# Altium PCB Battery Protector.PcbDoc (part 2 of 3) (continued)
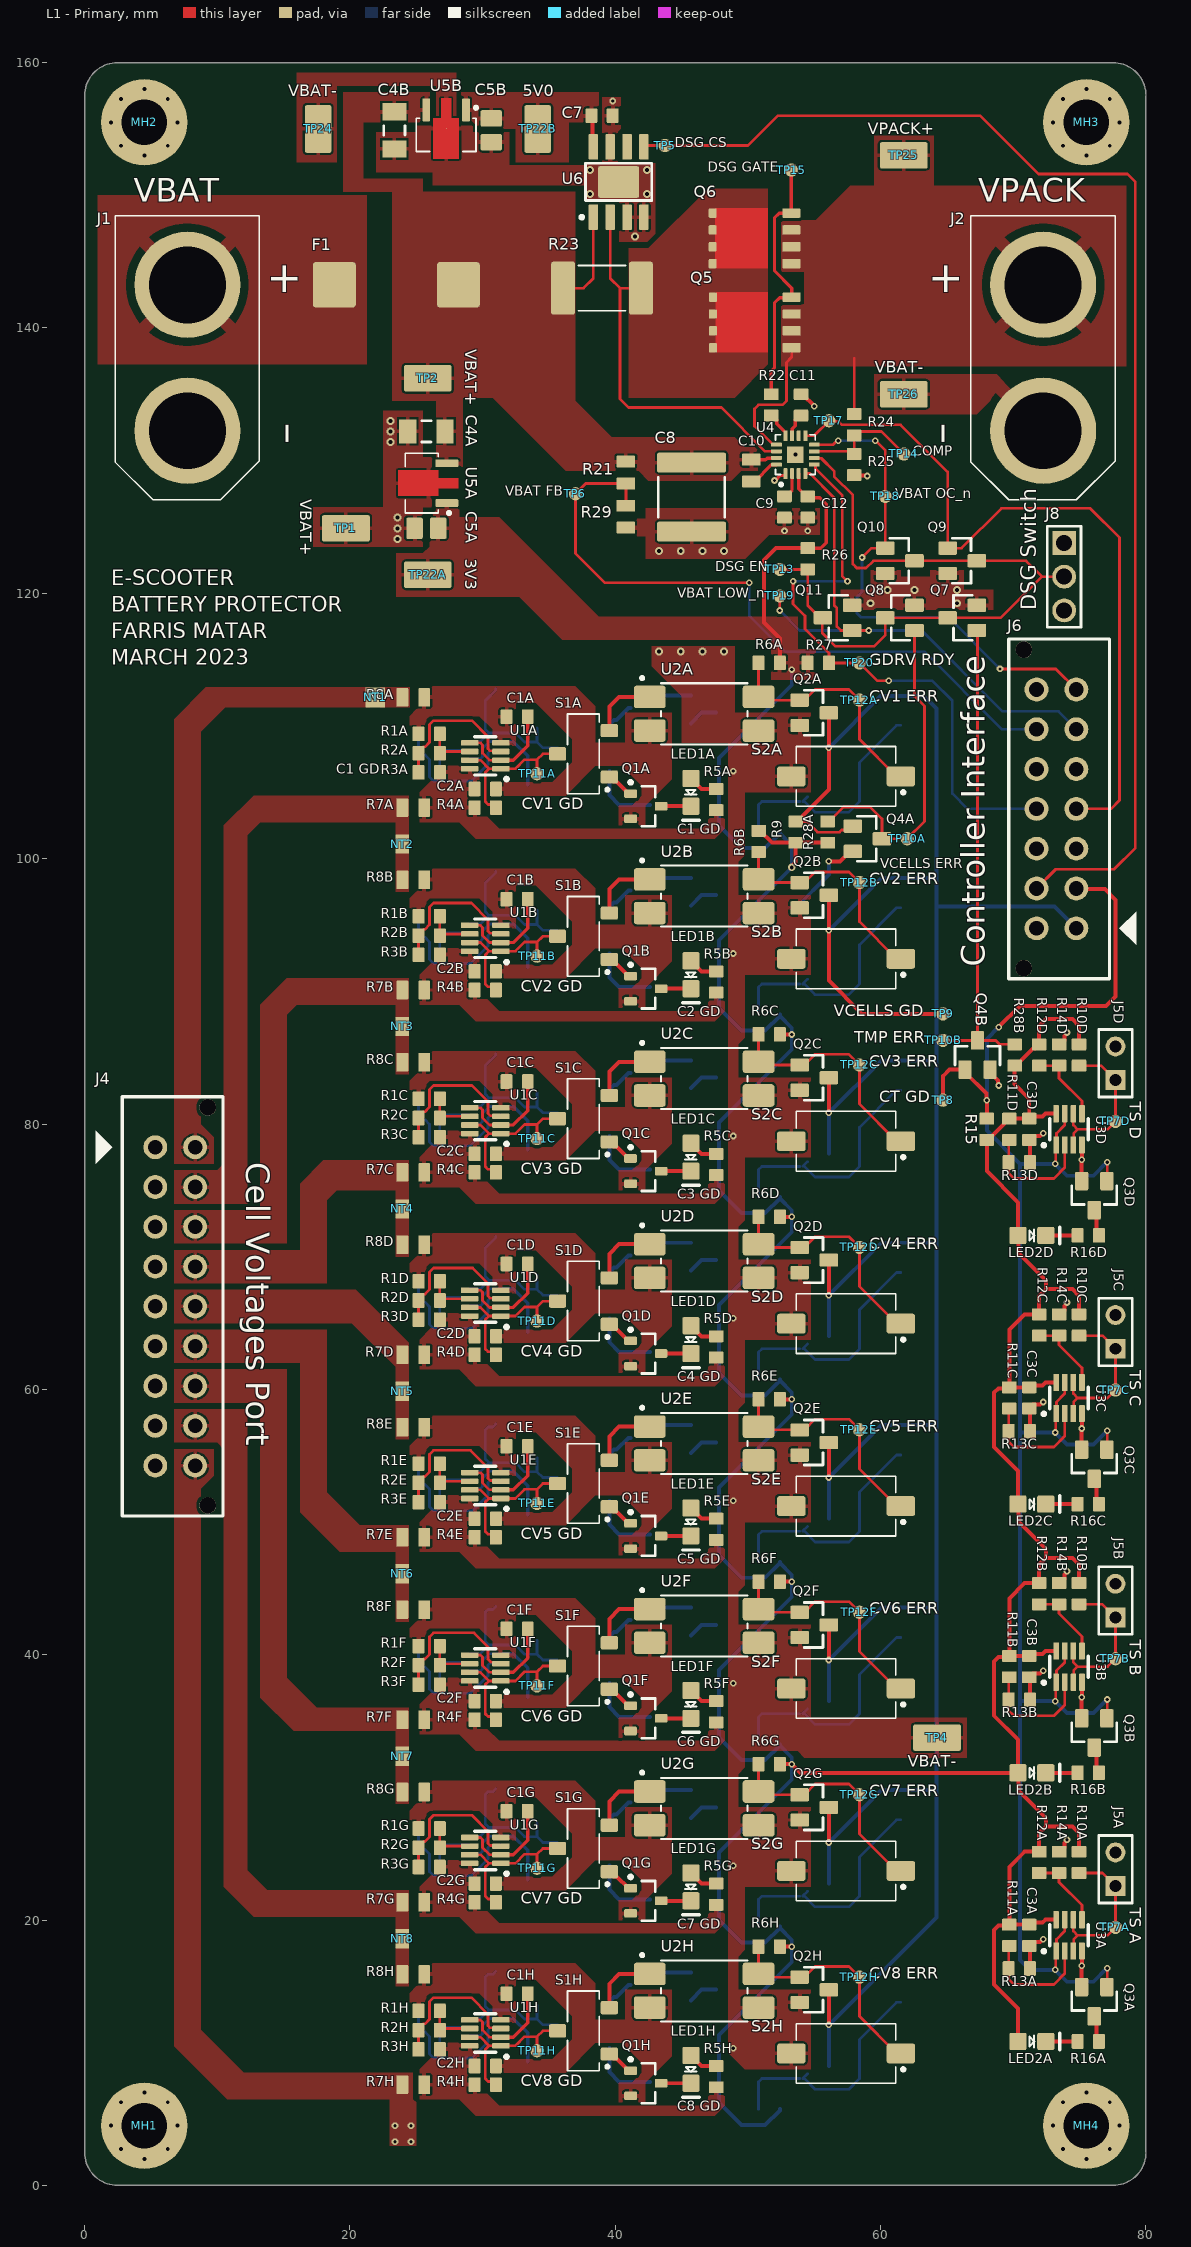
[diagram p0: L1 - Primary view]
## Nets (pads, with @x,y where several pads share a name; then routed paths per layer and width w, separated by ;. In a path a pad name is that pad's centre, name@x,y a point inside that pad or via, vN(x,y) a via of type N, cw(c..) or ccw(c..) an arc to the next point about the centre after c; other vN are vias at no path point) (continued)
CV_GDF: R4F.1 S1F.3 TP11F.1 U1F.1 U1F.7 | length 12
  L1 - Primary w0.204: U1F.7@29.025,38.675 29.825,38.675 30.475,38.025 ; R4F.1@31,35.1 30.763,35.337 30.413,35.337 30.2,35.55 30.2,37.75 30.475,38.025 ; TP11F.1@34.1,37.65 34.1,38.714 ; S1F.3@35.65,39.15 34.537,39.15 34.1,38.714 ; 30.475,38.025 U1F.1@31.375,38.025 32.475,38.025 33.164,38.714 34.1,38.714
CV_GDG: R4G.1 S1G.3 TP11G.1 U1G.1 U1G.7 | length 12
  L1 - Primary w0.204: U1G.7@29.025,24.925 29.825,24.925 30.475,24.275 ; R4G.1@31,21.35 30.763,21.587 30.413,21.587 30.2,21.8 30.2,24 30.475,24.275 ; TP11G.1@34.1,23.9 34.1,24.964 ; S1G.3@35.65,25.4 34.537,25.4 34.1,24.964 ; 30.475,24.275 U1G.1@31.375,24.275 32.475,24.275 33.164,24.964 34.1,24.964
CV_GDH: R4H.1 S1H.3 TP11H.1 U1H.1 U1H.7 | length 12
  L1 - Primary w0.204: U1H.7@29.025,11.175 29.825,11.175 30.475,10.525 ; R4H.1@31,7.6 30.763,7.837 30.413,7.837 30.2,8.05 30.2,10.25 30.475,10.525 ; TP11H.1@34.1,10.15 34.1,11.214 ; S1H.3@35.65,11.65 34.537,11.65 34.1,11.214 ; 30.475,10.525 U1H.1@31.375,10.525 32.475,10.525 33.164,11.214 34.1,11.214
CV_GDI: R4I.1 S1I.3 TP11I.1 U1I.1 U1I.7 | length 12
  L2 - Secondary w0.204: U1I.7@29.025,12.575 29.825,12.575 30.475,13.225 ; R4I.1@31,16.15 30.763,15.913 30.413,15.913 30.2,15.7 30.2,13.5 30.475,13.225 ; TP11I.1@34.1,13.6 34.1,12.537 ; S1I.3@35.65,12.1 34.537,12.1 34.1,12.537 ; 30.475,13.225 U1I.1@31.375,13.225 32.475,13.225 33.164,12.537 34.1,12.537
CV_GDJ: R4J.1 S1J.3 TP11J.1 U1J.1 U1J.7 | length 12
  L2 - Secondary w0.204: U1J.7@29.025,26.325 29.825,26.325 30.475,26.975 ; R4J.1@31,29.9 30.763,29.663 30.413,29.663 30.2,29.45 30.2,27.25 30.475,26.975 ; TP11J.1@34.1,27.35 34.1,26.287 ; S1J.3@35.65,25.85 34.537,25.85 34.1,26.287 ; 30.475,26.975 U1J.1@31.375,26.975 32.475,26.975 33.164,26.287 34.1,26.287
CV_GDK: R4K.1 S1K.3 TP11K.1 U1K.1 U1K.7 | length 12
  L2 - Secondary w0.204: U1K.7@29.025,40.075 29.825,40.075 30.475,40.725 ; R4K.1@31,43.65 30.763,43.413 30.413,43.413 30.2,43.2 30.2,41 30.475,40.725 ; TP11K.1@34.1,41.1 34.1,40.037 ; S1K.3@35.65,39.6 34.537,39.6 34.1,40.037 ; 30.475,40.725 U1K.1@31.375,40.725 32.475,40.725 33.164,40.037 34.1,40.037
CV_GDL: R4L.1 S1L.3 TP11L.1 U1L.1 U1L.7 | length 12
  L2 - Secondary w0.204: U1L.7@29.025,53.825 29.825,53.825 30.475,54.475 ; R4L.1@31,57.4 30.763,57.163 30.413,57.163 30.2,56.95 30.2,54.75 30.475,54.475 ; TP11L.1@34.1,54.85 34.1,53.787 ; S1L.3@35.65,53.35 34.537,53.35 34.1,53.787 ; 30.475,54.475 U1L.1@31.375,54.475 32.475,54.475 33.164,53.787 34.1,53.787
CV_GDM: R4M.1 S1M.3 TP11M.1 U1M.1 U1M.7 | length 12.2
  L2 - Secondary w0.204: U1M.7@29.025,67.575 29.825,67.575 30.475,68.225 ; R4M.1@31,71.55 31,71.45 30.2,70.65 30.2,68.5 30.475,68.225 ; TP11M.1@34.1,68.6 34.1,67.537 ; S1M.3@35.65,67.1 34.537,67.1 34.1,67.537 ; 30.475,68.225 U1M.1@31.375,68.225 32.475,68.225 33.164,67.537 34.1,67.537
CV_GDN: R4N.1 S1N.3 TP11N.1 U1N.1 U1N.7 | length 12.2
  L2 - Secondary w0.204: U1N.7@29.025,81.325 29.825,81.325 30.475,81.975 ; R4N.1@31,85.3 31,85.2 30.2,84.4 30.2,82.25 30.475,81.975 ; TP11N.1@34.1,82.35 34.1,81.286 ; S1N.3@35.65,80.85 34.537,80.85 34.1,81.286 ; 30.475,81.975 U1N.1@31.375,81.975 32.475,81.975 33.164,81.286 34.1,81.286
CV_GDO: R4O.1 S1O.3 TP11O.1 U1O.1 U1O.7 | length 12.2
  L2 - Secondary w0.204: U1O.7@29.025,95.075 29.825,95.075 30.475,95.725 ; R4O.1@31,99.05 31,98.95 30.2,98.15 30.2,96 30.475,95.725 ; TP11O.1@34.1,96.1 34.1,95.037 ; S1O.3@35.65,94.6 34.537,94.6 34.1,95.037 ; 30.475,95.725 U1O.1@31.375,95.725 32.475,95.725 33.164,95.037 34.1,95.037
CV_GDP: R4P.1 S1P.3 TP11P.1 U1P.1 U1P.7 | length 12.2
  L2 - Secondary w0.204: U1P.7@29.025,108.825 29.825,108.825 30.475,109.475 ; R4P.1@31,112.8 31,112.7 30.2,111.9 30.2,109.75 30.475,109.475 ; TP11P.1@34.1,109.85 34.1,108.787 ; S1P.3@35.65,108.35 34.537,108.35 34.1,108.787 ; 30.475,109.475 U1P.1@31.375,109.475 32.475,109.475 33.164,108.787 34.1,108.787
DSG_CS: J6.9 TP5.1 U6.5 | length 99
  L1 - Primary w0.204: U6.5@42.155,153.655 42.25,153.75 TP5.1@43.75,153.75 50,153.75 52.25,156 67.5,156 71.9,151.6 78.6,151.6 79.2,151 79.2,100.8 77.6,99.2 73.2,99.2 J6.9@71.75,97.75
DSG_EN: J8.2 Q7.3 Q8.3 Q9.3 Q10.3 Q11.3 R26.2 TP13.1 U4.6 | length 53.7
  L1 - Primary w0.204: TP13.1@52.4,121.8 R26.2@54.5,121.8 54.5,119.1 55.45,118.15 Q11.3@55.65,118.15 55.6,118.1 55.6,117 56.6,116 59.5,116 60.35,116.85 Q8.3@60.35,118.15 Q7.3@65.05,118.15 69.05,118.15 72.15,121.25 ; U4.6@55,130.2 55.023,130.177 55.523,130.177 56.499,129.201 56.499,128.801 57.9,127.4 57.9,122.2 58.2,121.9 58.9,121.9 59.45,122.45 Q10.3@62.55,122.45 Q9.3@67.25,122.45 70.95,122.45 72.15,121.25 ; J8.2@73.835,121.25 72.15,121.25
DSG_GATE: Q5.4 Q6.4 R22.2 TP15.1 | length 19.6
  L1 - Primary w0.25: R22.2@51.75,135 51.75,136.75 52,137 52,141.9 52.378,142.278 53.248,142.278 Q5.4@53.292,142.322 53.292,143.008 52,144.3 52,148.3 52.355,148.655 Q6.4@53.27,148.655 TP15.1@53.27,151.9
ERR_CVA: Q2A.1 R6A.1 S2A.1 TP12A.1 U2A.4 | length 18.4
  L1 - Primary w0.204: R6A.1@50.8,114.75 U2A.4@50.8,112.19 51.043,111.947 Q2A.1@53.9,111.947 ; Q2A.1@54.483,111.585 54.125,111.942 54.25,111.942 55.058,112.75 57.6,112.75 TP12A.1@58.4,111.95 58.4,109 61.2,106.2 S2A.1@61.525,106.2
ERR_CVB: Q2B.1 R6B.1 S2B.1 TP12B.1 U2B.4 | length 17.9
  L1 - Primary w0.204: R6B.1@50.8,100.5 U2B.4@50.8,98.44 51.043,98.197 Q2B.1@53.9,98.197 ; Q2B.1@54.483,97.835 54.125,98.192 54.25,98.192 55.058,99 57.6,99 TP12B.1@58.4,98.2 58.4,95.25 61.2,92.45 S2B.1@61.525,92.45
ERR_CVC: Q2C.1 R6C.1 S2C.1 TP12C.1 U2C.4 | length 17.9
  L1 - Primary w0.204: R6C.1@50.8,86.75 U2C.4@50.8,84.69 51.043,84.447 Q2C.1@53.9,84.447 ; Q2C.1@54.483,84.085 54.125,84.442 54.25,84.442 55.058,85.25 57.6,85.25 TP12C.1@58.4,84.45 58.4,81.5 61.2,78.7 S2C.1@61.525,78.7
ERR_CVD: Q2D.1 R6D.1 S2D.1 TP12D.1 U2D.4 | length 17.9
  L1 - Primary w0.204: R6D.1@50.8,73 U2D.4@50.8,70.94 51.043,70.697 Q2D.1@53.9,70.697 ; Q2D.1@54.483,70.335 54.125,70.692 54.25,70.692 55.058,71.5 57.6,71.5 TP12D.1@58.4,70.7 58.4,67.75 61.2,64.95 S2D.1@61.525,64.95
ERR_CVE: Q2E.1 R6E.1 S2E.1 TP12E.1 U2E.4 | length 17.9
  L1 - Primary w0.204: R6E.1@50.8,59.25 U2E.4@50.8,57.19 51.043,56.947 Q2E.1@53.9,56.947 ; Q2E.1@54.483,56.585 54.125,56.942 54.25,56.942 55.058,57.75 57.6,57.75 TP12E.1@58.4,56.95 58.4,54 61.2,51.2 S2E.1@61.525,51.2
ERR_CVF: Q2F.1 R6F.1 S2F.1 TP12F.1 U2F.4 | length 17.9
  L1 - Primary w0.204: R6F.1@50.8,45.5 U2F.4@50.8,43.44 51.043,43.197 Q2F.1@53.9,43.197 ; Q2F.1@54.483,42.835 54.125,43.192 54.25,43.192 55.058,44 57.6,44 TP12F.1@58.4,43.2 58.4,40.25 61.2,37.45 S2F.1@61.525,37.45
ERR_CVG: Q2G.1 R6G.1 S2G.1 TP12G.1 U2G.4 | length 17.9
  L1 - Primary w0.204: R6G.1@50.8,31.75 U2G.4@50.8,29.69 51.043,29.447 Q2G.1@53.9,29.447 ; Q2G.1@54.483,29.085 54.125,29.442 54.25,29.442 55.058,30.25 57.6,30.25 TP12G.1@58.4,29.45 58.4,26.5 61.2,23.7 S2G.1@61.525,23.7
ERR_CVH: Q2H.1 R6H.1 S2H.1 TP12H.1 U2H.4 | length 17.9
  L1 - Primary w0.204: R6H.1@50.8,18 U2H.4@50.8,15.94 51.043,15.697 Q2H.1@53.9,15.697 ; Q2H.1@54.483,15.335 54.125,15.692 54.25,15.692 55.058,16.5 57.6,16.5 TP12H.1@58.4,15.7 58.4,12.75 61.2,9.95 S2H.1@61.525,9.95
ERR_CVI: Q2I.1 R6I.1 S2I.1 TP12I.1 U2I.4 | length 17.9
  L2 - Secondary w0.204: R6I.1@50.8,5.75 U2I.4@50.8,7.81 51.043,8.053 Q2I.1@53.9,8.053 ; Q2I.1@54.483,8.415 54.125,8.058 54.25,8.058 55.058,7.25 57.6,7.25 TP12I.1@58.4,8.05 58.4,11 61.2,13.8 S2I.1@61.525,13.8
ERR_CVJ: Q2J.1 R6J.1 S2J.1 TP12J.1 U2J.4 | length 17.9
  L2 - Secondary w0.204: R6J.1@50.8,19.5 U2J.4@50.8,21.56 51.043,21.803 Q2J.1@53.9,21.803 ; Q2J.1@54.483,22.165 54.125,21.808 54.25,21.808 55.058,21 57.6,21 TP12J.1@58.4,21.8 58.4,24.75 61.2,27.55 S2J.1@61.525,27.55
ERR_CVK: Q2K.1 R6K.1 S2K.1 TP12K.1 U2K.4 | length 17.9
  L2 - Secondary w0.204: R6K.1@50.8,33.25 U2K.4@50.8,35.31 51.043,35.553 Q2K.1@53.9,35.553 ; Q2K.1@54.483,35.915 54.125,35.558 54.25,35.558 55.058,34.75 57.6,34.75 TP12K.1@58.4,35.55 58.4,38.5 61.2,41.3 S2K.1@61.525,41.3
ERR_CVL: Q2L.1 R6L.1 S2L.1 TP12L.1 U2L.4 | length 17.9
  L2 - Secondary w0.204: R6L.1@50.8,47 U2L.4@50.8,49.06 51.043,49.303 Q2L.1@53.9,49.303 ; Q2L.1@54.483,49.665 54.125,49.308 54.25,49.308 55.058,48.5 57.6,48.5 TP12L.1@58.4,49.3 58.4,52.25 61.2,55.05 S2L.1@61.525,55.05
ERR_CVM: Q2M.1 R6M.1 S2M.1 TP12M.1 U2M.4 | length 17.9
  L2 - Secondary w0.204: R6M.1@50.8,60.75 U2M.4@50.8,62.81 51.043,63.053 Q2M.1@53.9,63.053 ; Q2M.1@54.483,63.415 54.125,63.058 54.25,63.058 55.058,62.25 57.6,62.25 TP12M.1@58.4,63.05 58.4,66 61.2,68.8 S2M.1@61.525,68.8
ERR_CVN: Q2N.1 R6N.1 S2N.1 TP12N.1 U2N.4 | length 17.9
  L2 - Secondary w0.204: R6N.1@50.8,74.5 50.8,76.56 51.043,76.803 Q2N.1@53.9,76.803 ; Q2N.1@54.483,77.165 54.125,76.808 54.25,76.808 55.058,76 57.6,76 TP12N.1@58.4,76.8 58.4,79.75 61.2,82.55 S2N.1@61.525,82.55
ERR_CVO: Q2O.1 R6O.1 S2O.1 TP12O.1 U2O.4 | length 17.9
  L2 - Secondary w0.204: R6O.1@50.8,88.25 U2O.4@50.8,90.31 51.043,90.553 Q2O.1@53.9,90.553 ; Q2O.1@54.483,90.915 54.125,90.558 54.25,90.558 55.058,89.75 57.6,89.75 TP12O.1@58.4,90.55 58.4,93.5 61.2,96.3 S2O.1@61.525,96.3
ERR_CVP: Q2P.1 R6P.1 S2P.1 TP12P.1 U2P.4 | length 17.9
  L2 - Secondary w0.204: R6P.1@50.8,102 U2P.4@50.8,104.06 51.043,104.303 Q2P.1@53.9,104.303 ; Q2P.1@54.483,104.665 54.125,104.308 54.25,104.308 55.058,103.5 57.6,103.5 TP12P.1@58.4,104.3 58.4,107.25 61.2,110.05 S2P.1@61.525,110.05
GATE_DRIVER_RDY: J6.11 R27.1 TP20.1 U4.5 | length 45.5
  L1 - Primary w0.204: v1(53.4,120.9) 53.4,119.2 54.3,118.3 54.3,117.3 56.1,115.5 R27.1@56.1,114.75 TP20.1@58.4,114.75 59.75,113.4 v1(60.6,113.4) ; U4.5@55,129.7 55.012,129.7 55.087,129.625 55.087,129.413 57.1,127.4 57.1,121.3 v1(57.5,120.9)
  L2 - Secondary w0.204: v1(53.4,120.9) v1(57.5,120.9) ; v1(60.6,113.4) 63.9,113.4 65.4,111.9 65.4,104.9 66.55,103.75 J6.11@71.75,103.75
GATE_DRIVER_THW_n: J6.4 Q9.1 TP17.1 U4.9 | length 57
  L1 - Primary w0.204: U4.9@54.325,131.875 54.975,131.875 TP17.1@56.1,133 56.125,132.975 56.825,132.975 57.1,132.7 61.5,132.7 65.05,129.15 Q9.1@65.05,123.4 66.1,123.4 69.1,126.4 75.8,126.4 78,124.2 78,104.4 77.35,103.75 J6.4@74.75,103.75
INA+A: R2A.2 R3A.1 U1A.3 | length 11
  L1 - Primary w0.204: R3A.1@25.175,106.5 25.175,108.05 25.55,108.425 25.65,108.425 26,108.775 26,110.1 26.3,110.4 29.2,110.4 30.413,109.187 30.413,108.287 30.573,108.127 31.323,108.127 U1A.3@31.375,108.075
INA+B: R2B.2 R3B.1 U1B.3 | length 11
  L1 - Primary w0.204: R3B.1@25.175,92.75 25.175,94.3 25.55,94.675 25.65,94.675 26,95.025 26,96.35 26.3,96.65 29.15,96.65 30.413,95.387 30.413,94.537 30.573,94.377 31.323,94.377 U1B.3@31.375,94.325
INA+C: R2C.2 R3C.1 U1C.3 | length 11
  L1 - Primary w0.204: R3C.1@25.175,79 25.175,80.55 25.55,80.925 25.65,80.925 26,81.275 26,82.6 26.3,82.9 29.2,82.9 30.413,81.687 30.413,80.787 30.573,80.627 31.323,80.627 U1C.3@31.375,80.575
INA+D: R2D.2 R3D.1 U1D.3 | length 11
  L1 - Primary w0.204: R3D.1@25.175,65.25 25.175,66.8 25.55,67.175 25.65,67.175 26,67.525 26,68.85 26.3,69.15 29.25,69.15 30.413,67.987 30.413,67.037 30.573,66.877 31.323,66.877 U1D.3@31.375,66.825
INA+E: R2E.2 R3E.1 U1E.3 | length 10.9
  L1 - Primary w0.204: R3E.1@25.175,51.5 25.175,53.05 25.55,53.425 25.65,53.425 26,53.775 26,55.1 26.3,55.4 29.1,55.4 30.413,54.087 30.413,53.287 30.573,53.127 31.323,53.127 U1E.3@31.375,53.075
INA+F: R2F.2 R3F.1 U1F.3 | length 11
  L1 - Primary w0.204: R3F.1@25.175,37.75 25.175,39.3 25.55,39.675 25.65,39.675 26,40.025 26,41.35 26.3,41.65 29.35,41.65 30.413,40.587 30.413,39.667 30.647,39.433 31.267,39.433 U1F.3@31.375,39.325
INA+G: R2G.2 R3G.1 U1G.3 | length 11
  L1 - Primary w0.204: R3G.1@25.175,24 25.175,25.55 25.55,25.925 25.65,25.925 26,26.275 26,27.6 26.3,27.9 29.2,27.9 30.413,26.687 30.413,25.787 30.573,25.627 31.323,25.627 U1G.3@31.375,25.575
INA+H: R2H.2 R3H.1 U1H.3 | length 11
  L1 - Primary w0.204: R3H.1@25.175,10.25 25.175,11.8 25.55,12.175 25.65,12.175 26,12.525 26,13.85 26.3,14.15 29.15,14.15 30.413,12.887 30.413,12.037 30.573,11.877 31.323,11.877 U1H.3@31.375,11.825
INA+I: R2I.2 R3I.1 U1I.3 | length 11
  L2 - Secondary w0.204: R3I.1@25.175,13.5 25.175,11.95 25.55,11.575 25.65,11.575 26,11.225 26,9.9 26.3,9.6 29.2,9.6 30.413,10.813 30.413,11.713 30.573,11.873 31.323,11.873 U1I.3@31.375,11.925
INA+J: R2J.2 R3J.1 U1J.3 | length 11
  L2 - Secondary w0.204: R3J.1@25.175,27.25 25.175,25.7 25.55,25.325 25.65,25.325 26,24.975 26,23.65 26.3,23.35 29.15,23.35 30.413,24.613 30.413,25.463 30.573,25.623 31.323,25.623 U1J.3@31.375,25.675
INA+K: R2K.2 R3K.1 U1K.3 | length 10.9
  L2 - Secondary w0.204: R3K.1@25.175,41 25.175,39.45 25.55,39.075 25.65,39.075 26,38.725 26,37.4 26.3,37.1 29.1,37.1 30.413,38.413 30.413,39.213 30.573,39.373 31.323,39.373 U1K.3@31.375,39.425
INA+L: R2L.2 R3L.1 U1L.3 | length 11
  L2 - Secondary w0.204: R3L.1@25.175,54.75 25.175,53.2 25.55,52.825 25.65,52.825 26,52.475 26,51.15 26.3,50.85 29.25,50.85 30.425,52.025 30.425,52.205 30.413,52.217 30.413,52.963 30.573,53.123 31.323,53.123 U1L.3@31.375,53.175
INA+M: R2M.2 R3M.1 U1M.3 | length 11
  L2 - Secondary w0.204: R3M.1@25.175,68.5 25.175,66.95 25.55,66.575 25.65,66.575 26,66.225 26,64.9 26.3,64.6 29.2,64.6 30.413,65.813 30.413,66.713 30.573,66.873 31.323,66.873 U1M.3@31.375,66.925
INA+N: R2N.2 R3N.1 U1N.3 | length 10.9
  L2 - Secondary w0.204: R3N.1@25.175,82.25 25.175,80.7 25.55,80.325 25.65,80.325 26,79.975 26,78.65 26.3,78.35 29.05,78.35 30.413,79.713 30.413,80.463 30.573,80.623 31.323,80.623 U1N.3@31.375,80.675
INA+O: R2O.2 R3O.1 U1O.3 | length 10.9
  L2 - Secondary w0.204: R3O.1@25.175,96 25.175,94.45 25.55,94.075 25.65,94.075 26,93.725 26,92.4 26.3,92.1 29.1,92.1 30.413,93.413 30.413,94.213 30.573,94.373 31.323,94.373 U1O.3@31.375,94.425
INA+P: R2P.2 R3P.1 U1P.3 | length 11
  L2 - Secondary w0.204: R3P.1@25.175,109.75 25.175,108.2 25.55,107.825 25.65,107.825 26,107.475 26,106.15 26.3,105.85 29.15,105.85 30.413,107.113 30.413,107.963 30.573,108.123 31.323,108.123 U1P.3@31.375,108.175
INB-A: R1A.2 R2A.1 U1A.6 | length 3.8
  L1 - Primary w0.204: R1A.2@26.775,109.4 R2A.1@26.775,107.95 26.9,108.075 U1A.6@29.025,108.075
INB-B: R1B.2 R2B.1 U1B.6 | length 3.8
  L1 - Primary w0.204: R1B.2@26.775,95.65 R2B.1@26.775,94.2 26.9,94.325 U1B.6@29.025,94.325
INB-C: R1C.2 R2C.1 U1C.6 | length 3.8
  L1 - Primary w0.204: R1C.2@26.775,81.9 R2C.1@26.775,80.45 26.9,80.575 U1C.6@29.025,80.575
INB-D: R1D.2 R2D.1 U1D.6 | length 3.8
  L1 - Primary w0.204: R1D.2@26.775,68.15 R2D.1@26.775,66.7 26.9,66.825 U1D.6@29.025,66.825
INB-E: R1E.2 R2E.1 U1E.6 | length 3.8
  L1 - Primary w0.204: R1E.2@26.775,54.4 R2E.1@26.775,52.95 26.9,53.075 U1E.6@29.025,53.075
INB-F: R1F.2 R2F.1 U1F.6 | length 3.8
  L1 - Primary w0.204: R1F.2@26.775,40.65 R2F.1@26.775,39.2 26.9,39.325 U1F.6@29.025,39.325
INB-G: R1G.2 R2G.1 U1G.6 | length 3.8
  L1 - Primary w0.204: R1G.2@26.775,26.9 R2G.1@26.775,25.45 26.9,25.575 U1G.6@29.025,25.575
INB-H: R1H.2 R2H.1 U1H.6 | length 3.8
  L1 - Primary w0.204: R1H.2@26.775,13.15 R2H.1@26.775,11.7 26.9,11.825 U1H.6@29.025,11.825
INB-I: R1I.2 R2I.1 U1I.6 | length 3.8
  L2 - Secondary w0.204: R1I.2@26.775,10.6 R2I.1@26.775,12.05 26.9,11.925 U1I.6@29.025,11.925
INB-J: R1J.2 R2J.1 U1J.6 | length 3.8
  L2 - Secondary w0.204: R1J.2@26.775,24.35 R2J.1@26.775,25.8 26.9,25.675 U1J.6@29.025,25.675
INB-K: R1K.2 R2K.1 U1K.6 | length 3.8
  L2 - Secondary w0.204: R1K.2@26.775,38.1 R2K.1@26.775,39.55 26.9,39.425 U1K.6@29.025,39.425
INB-L: R1L.2 R2L.1 U1L.6 | length 3.8
  L2 - Secondary w0.204: R1L.2@26.775,51.85 R2L.1@26.775,53.3 26.9,53.175 U1L.6@29.025,53.175
INB-M: R1M.2 R2M.1 U1M.6 | length 3.8
  L2 - Secondary w0.204: R1M.2@26.775,65.6 R2M.1@26.775,67.05 26.9,66.925 U1M.6@29.025,66.925
INB-N: R1N.2 R2N.1 U1N.6 | length 3.8
  L2 - Secondary w0.204: R1N.2@26.775,79.35 R2N.1@26.775,80.8 26.9,80.675 U1N.6@29.025,80.675
INB-O: R1O.2 R2O.1 U1O.6 | length 3.8
  L2 - Secondary w0.204: R1O.2@26.775,93.1 R2O.1@26.775,94.55 26.9,94.425 U1O.6@29.025,94.425
INB-P: R1P.2 R2P.1 U1P.6 | length 3.8
  L2 - Secondary w0.204: R1P.2@26.775,106.85 R2P.1@26.775,108.3 26.9,108.175 U1P.6@29.025,108.175
NetC1A_2: C1A.2 U1A.2 U1A.5 | length 7.9
  L1 - Primary w0.204: U1A.5@29.025,108.725 29.837,108.725 29.999,108.563 29.999,107.951 30.525,107.425 U1A.2@31.375,107.425
  L1 - Primary w0.25: U1A.2@31.375,107.425 32.325,107.425 33.4,108.5 C1A.2@33.4,110.7
NetC1B_2: C1B.2 U1B.2 U1B.5 | length 7.9
  L1 - Primary w0.204: U1B.5@29.025,94.975 29.837,94.975 29.999,94.813 29.999,94.201 30.525,93.675 U1B.2@31.375,93.675
  L1 - Primary w0.25: U1B.2@31.375,93.675 32.325,93.675 33.4,94.75 C1B.2@33.4,96.95
NetC1C_2: C1C.2 U1C.2 U1C.5 | length 7.9
  L1 - Primary w0.204: U1C.5@29.025,81.225 29.837,81.225 29.999,81.063 29.999,80.451 30.525,79.925 U1C.2@31.375,79.925
  L1 - Primary w0.25: U1C.2@31.375,79.925 32.325,79.925 33.4,81 C1C.2@33.4,83.2
NetC1D_2: C1D.2 U1D.2 U1D.5 | length 7.9
  L1 - Primary w0.204: U1D.5@29.025,67.475 29.837,67.475 29.999,67.313 29.999,66.701 30.525,66.175 U1D.2@31.375,66.175
  L1 - Primary w0.25: U1D.2@31.375,66.175 32.325,66.175 33.4,67.25 C1D.2@33.4,69.45
NetC1E_2: C1E.2 U1E.2 U1E.5 | length 7.9
  L1 - Primary w0.204: U1E.5@29.025,53.725 29.837,53.725 29.999,53.563 29.999,52.951 30.525,52.425 U1E.2@31.375,52.425
  L1 - Primary w0.25: U1E.2@31.375,52.425 32.325,52.425 33.4,53.5 C1E.2@33.4,55.7
NetC1F_2: C1F.2 U1F.2 U1F.5 | length 7.9
  L1 - Primary w0.204: U1F.5@29.025,39.975 29.837,39.975 29.999,39.813 29.999,39.201 30.525,38.675 U1F.2@31.375,38.675
  L1 - Primary w0.25: U1F.2@31.375,38.675 32.325,38.675 33.4,39.75 C1F.2@33.4,41.95
NetC1G_2: C1G.2 U1G.2 U1G.5 | length 7.9
  L1 - Primary w0.204: U1G.5@29.025,26.225 29.837,26.225 29.999,26.063 29.999,25.451 30.525,24.925 U1G.2@31.375,24.925
  L1 - Primary w0.25: U1G.2@31.375,24.925 32.325,24.925 33.4,26 C1G.2@33.4,28.2
NetC1H_2: C1H.2 U1H.2 U1H.5 | length 7.9
  L1 - Primary w0.204: U1H.5@29.025,12.475 29.837,12.475 29.999,12.313 29.999,11.701 30.525,11.175 U1H.2@31.375,11.175
  L1 - Primary w0.25: U1H.2@31.375,11.175 32.325,11.175 33.4,12.25 C1H.2@33.4,14.45
NetC1I_2: C1I.2 U1I.2 U1I.5 | length 7.9
  L2 - Secondary w0.204: U1I.5@29.025,11.275 29.837,11.275 29.999,11.437 29.999,12.049 30.525,12.575 U1I.2@31.375,12.575
  L2 - Secondary w0.25: U1I.2@31.375,12.575 32.325,12.575 33.4,11.5 C1I.2@33.4,9.3
NetC1J_2: C1J.2 U1J.2 U1J.5 | length 7.9
  L2 - Secondary w0.204: U1J.5@29.025,25.025 29.837,25.025 29.999,25.187 29.999,25.799 30.525,26.325 U1J.2@31.375,26.325
  L2 - Secondary w0.25: U1J.2@31.375,26.325 32.325,26.325 33.4,25.25 C1J.2@33.4,23.05
NetC1K_2: C1K.2 U1K.2 U1K.5 | length 7.9
  L2 - Secondary w0.204: U1K.5@29.025,38.775 29.837,38.775 29.999,38.937 29.999,39.549 30.525,40.075 U1K.2@31.375,40.075
  L2 - Secondary w0.25: U1K.2@31.375,40.075 32.325,40.075 33.4,39 C1K.2@33.4,36.8
NetC1L_2: C1L.2 U1L.2 U1L.5 | length 7.9
  L2 - Secondary w0.204: U1L.5@29.025,52.525 29.837,52.525 29.999,52.687 29.999,53.299 30.525,53.825 U1L.2@31.375,53.825
  L2 - Secondary w0.25: U1L.2@31.375,53.825 32.325,53.825 33.4,52.75 C1L.2@33.4,50.55
NetC1M_2: C1M.2 U1M.2 U1M.5 | length 7.9
  L2 - Secondary w0.204: U1M.5@29.025,66.275 29.837,66.275 29.999,66.437 29.999,67.049 30.525,67.575 U1M.2@31.375,67.575
  L2 - Secondary w0.25: U1M.2@31.375,67.575 32.325,67.575 33.4,66.5 C1M.2@33.4,64.3
NetC1N_2: C1N.2 U1N.2 U1N.5 | length 7.9
  L2 - Secondary w0.204: U1N.5@29.025,80.025 29.837,80.025 29.999,80.187 29.999,80.799 30.525,81.325 U1N.2@31.375,81.325
  L2 - Secondary w0.25: U1N.2@31.375,81.325 32.325,81.325 33.4,80.25 C1N.2@33.4,78.05
NetC1O_2: C1O.2 U1O.2 U1O.5 | length 7.9
  L2 - Secondary w0.204: U1O.5@29.025,93.775 29.837,93.775 29.999,93.937 29.999,94.549 30.525,95.075 U1O.2@31.375,95.075
  L2 - Secondary w0.25: U1O.2@31.375,95.075 32.325,95.075 33.4,94 C1O.2@33.4,91.8
NetC1P_2: C1P.2 U1P.2 U1P.5 | length 7.9
  L2 - Secondary w0.204: U1P.5@29.025,107.525 29.837,107.525 29.999,107.687 29.999,108.299 30.525,108.825 U1P.2@31.375,108.825
  L2 - Secondary w0.25: U1P.2@31.375,108.825 32.325,108.825 33.4,107.75 C1P.2@33.4,105.55
NetC9_2: C9.2 U4.2 | length 2
  L1 - Primary w0.25: C9.2@52.75,127.3 52.842,127.3 53.325,127.783 U4.2@53.325,129.025
NetC10_2: C10.2 U4.16 | length 2.4
  L1 - Primary w0.25: C10.2@50.25,128.425 50.5,128.425 51.75,129.675 52.125,129.675 U4.16@52.15,129.7
NetC11_2: C11.2 U4.11 | length 1.9
  L1 - Primary w0.25: U4.11@53.325,131.875 53.34,131.89 53.34,132.392 53.575,132.627 53.575,133.075 53.9,133.4 C11.2@54,133.4
NetLED1A_1: LED1A.1 R5A.1 | length 2.2
  L1 - Primary w0.3: LED1A.1@45.7,106.05 46.5,105.25 R5A.1@47.6,105.25
NetLED1A_2: LED1A.2 Q1A.3 | length 2.3
  L1 - Primary w0.3: Q1A.3@43.45,103.95 LED1A.2@45.7,103.95
NetLED1B_1: LED1B.1 R5B.1 | length 2.2
  L1 - Primary w0.3: LED1B.1@45.7,92.3 46.5,91.5 R5B.1@47.6,91.5
NetLED1B_2: LED1B.2 Q1B.3 | length 2.3
  L1 - Primary w0.3: Q1B.3@43.45,90.2 LED1B.2@45.7,90.2
NetLED1C_1: LED1C.1 R5C.1 | length 2.2
  L1 - Primary w0.3: LED1C.1@45.7,78.55 46.5,77.75 R5C.1@47.6,77.75
NetLED1C_2: LED1C.2 Q1C.3 | length 2.3
  L1 - Primary w0.3: Q1C.3@43.45,76.45 LED1C.2@45.7,76.45
NetLED1D_1: LED1D.1 R5D.1 | length 2.2
  L1 - Primary w0.3: LED1D.1@45.7,64.8 46.5,64 R5D.1@47.6,64
NetLED1D_2: LED1D.2 Q1D.3 | length 2.3
  L1 - Primary w0.3: Q1D.3@43.45,62.7 LED1D.2@45.7,62.7
NetLED1E_1: LED1E.1 R5E.1 | length 2.2
  L1 - Primary w0.3: LED1E.1@45.7,51.05 46.5,50.25 R5E.1@47.6,50.25
NetLED1E_2: LED1E.2 Q1E.3 | length 2.3
  L1 - Primary w0.3: Q1E.3@43.45,48.95 LED1E.2@45.7,48.95
NetLED1F_1: LED1F.1 R5F.1 | length 2.2
  L1 - Primary w0.3: LED1F.1@45.7,37.3 46.5,36.5 R5F.1@47.6,36.5
NetLED1F_2: LED1F.2 Q1F.3 | length 2.3
  L1 - Primary w0.3: Q1F.3@43.45,35.2 LED1F.2@45.7,35.2
NetLED1G_1: LED1G.1 R5G.1 | length 2.2
  L1 - Primary w0.3: LED1G.1@45.7,23.55 46.5,22.75 R5G.1@47.6,22.75
NetLED1G_2: LED1G.2 Q1G.3 | length 2.3
  L1 - Primary w0.3: Q1G.3@43.45,21.45 LED1G.2@45.7,21.45
NetLED1H_1: LED1H.1 R5H.1 | length 2.2
  L1 - Primary w0.3: LED1H.1@45.7,9.8 46.5,9 R5H.1@47.6,9
NetLED1H_2: LED1H.2 Q1H.3 | length 2.3
  L1 - Primary w0.3: Q1H.3@43.45,7.7 LED1H.2@45.7,7.7
NetLED1I_1: LED1I.1 R5I.1 | length 2.2
  L2 - Secondary w0.3: LED1I.1@45.7,13.95 46.5,14.75 R5I.1@47.6,14.75
NetLED1I_2: LED1I.2 Q1I.3 | length 2.3
  L2 - Secondary w0.3: Q1I.3@43.45,16.05 LED1I.2@45.7,16.05
NetLED1J_1: LED1J.1 R5J.1 | length 2.2
  L2 - Secondary w0.3: LED1J.1@45.7,27.7 46.5,28.5 R5J.1@47.6,28.5
NetLED1J_2: LED1J.2 Q1J.3 | length 2.3
  L2 - Secondary w0.3: Q1J.3@43.45,29.8 LED1J.2@45.7,29.8
NetLED1K_1: LED1K.1 R5K.1 | length 2.2
  L2 - Secondary w0.3: LED1K.1@45.7,41.45 46.5,42.25 R5K.1@47.6,42.25
NetLED1K_2: LED1K.2 Q1K.3 | length 2.3
  L2 - Secondary w0.3: Q1K.3@43.45,43.55 LED1K.2@45.7,43.55
NetLED1L_1: LED1L.1 R5L.1 | length 2.2
  L2 - Secondary w0.3: LED1L.1@45.7,55.2 46.5,56 R5L.1@47.6,56
NetLED1L_2: LED1L.2 Q1L.3 | length 2.3
  L2 - Secondary w0.3: Q1L.3@43.45,57.3 LED1L.2@45.7,57.3
NetLED1M_1: LED1M.1 R5M.1 | length 2.2
  L2 - Secondary w0.3: LED1M.1@45.7,68.95 46.5,69.75 R5M.1@47.6,69.75
NetLED1M_2: LED1M.2 Q1M.3 | length 2.3
  L2 - Secondary w0.3: Q1M.3@43.45,71.05 LED1M.2@45.7,71.05
NetLED1N_1: LED1N.1 R5N.1 | length 2.2
  L2 - Secondary w0.3: LED1N.1@45.7,82.7 46.5,83.5 R5N.1@47.6,83.5
NetLED1N_2: LED1N.2 Q1N.3 | length 2.3
  L2 - Secondary w0.3: Q1N.3@43.45,84.8 LED1N.2@45.7,84.8
NetLED1O_1: LED1O.1 R5O.1 | length 2.2
  L2 - Secondary w0.3: LED1O.1@45.7,96.45 46.5,97.25 R5O.1@47.6,97.25
NetLED1O_2: LED1O.2 Q1O.3 | length 2.3
  L2 - Secondary w0.3: Q1O.3@43.45,98.55 LED1O.2@45.7,98.55
NetLED1P_1: LED1P.1 R5P.1 | length 2.2
  L2 - Secondary w0.3: LED1P.1@45.7,110.2 46.5,111 R5P.1@47.6,111
NetLED1P_2: LED1P.2 Q1P.3 | length 2.3
  L2 - Secondary w0.3: Q1P.3@43.45,112.3 LED1P.2@45.7,112.3
NetLED2A_2: LED2A.2 R16A.2 | length 2.4
  L1 - Primary w0.3: LED2A.2@72.45,10.85 R16A.2@74.85,10.85
NetLED2B_2: LED2B.2 R16B.2 | length 2.4
  L1 - Primary w0.3: LED2B.2@72.45,31.1 R16B.2@74.85,31.1
NetLED2C_2: LED2C.2 R16C.2 | length 2.4
  L1 - Primary w0.3: LED2C.2@72.45,51.35 R16C.2@74.85,51.35